# Altium PCB AIR_MOUNT23.PcbDoc (part 3 of 4)
Units mm, origin at the board's own origin, x right, y up, seen from the top; angles counter-clockwise.
Board outline 149.5 x 178 mm, 4 copper layers (Top Layer, Layer 1, Layer 2, Bottom Layer), stack 1.741 mm thick; 443 components, 337 nets, 1578 pads, 464 vias.
Unrouted connection lines stored in the file: 63.
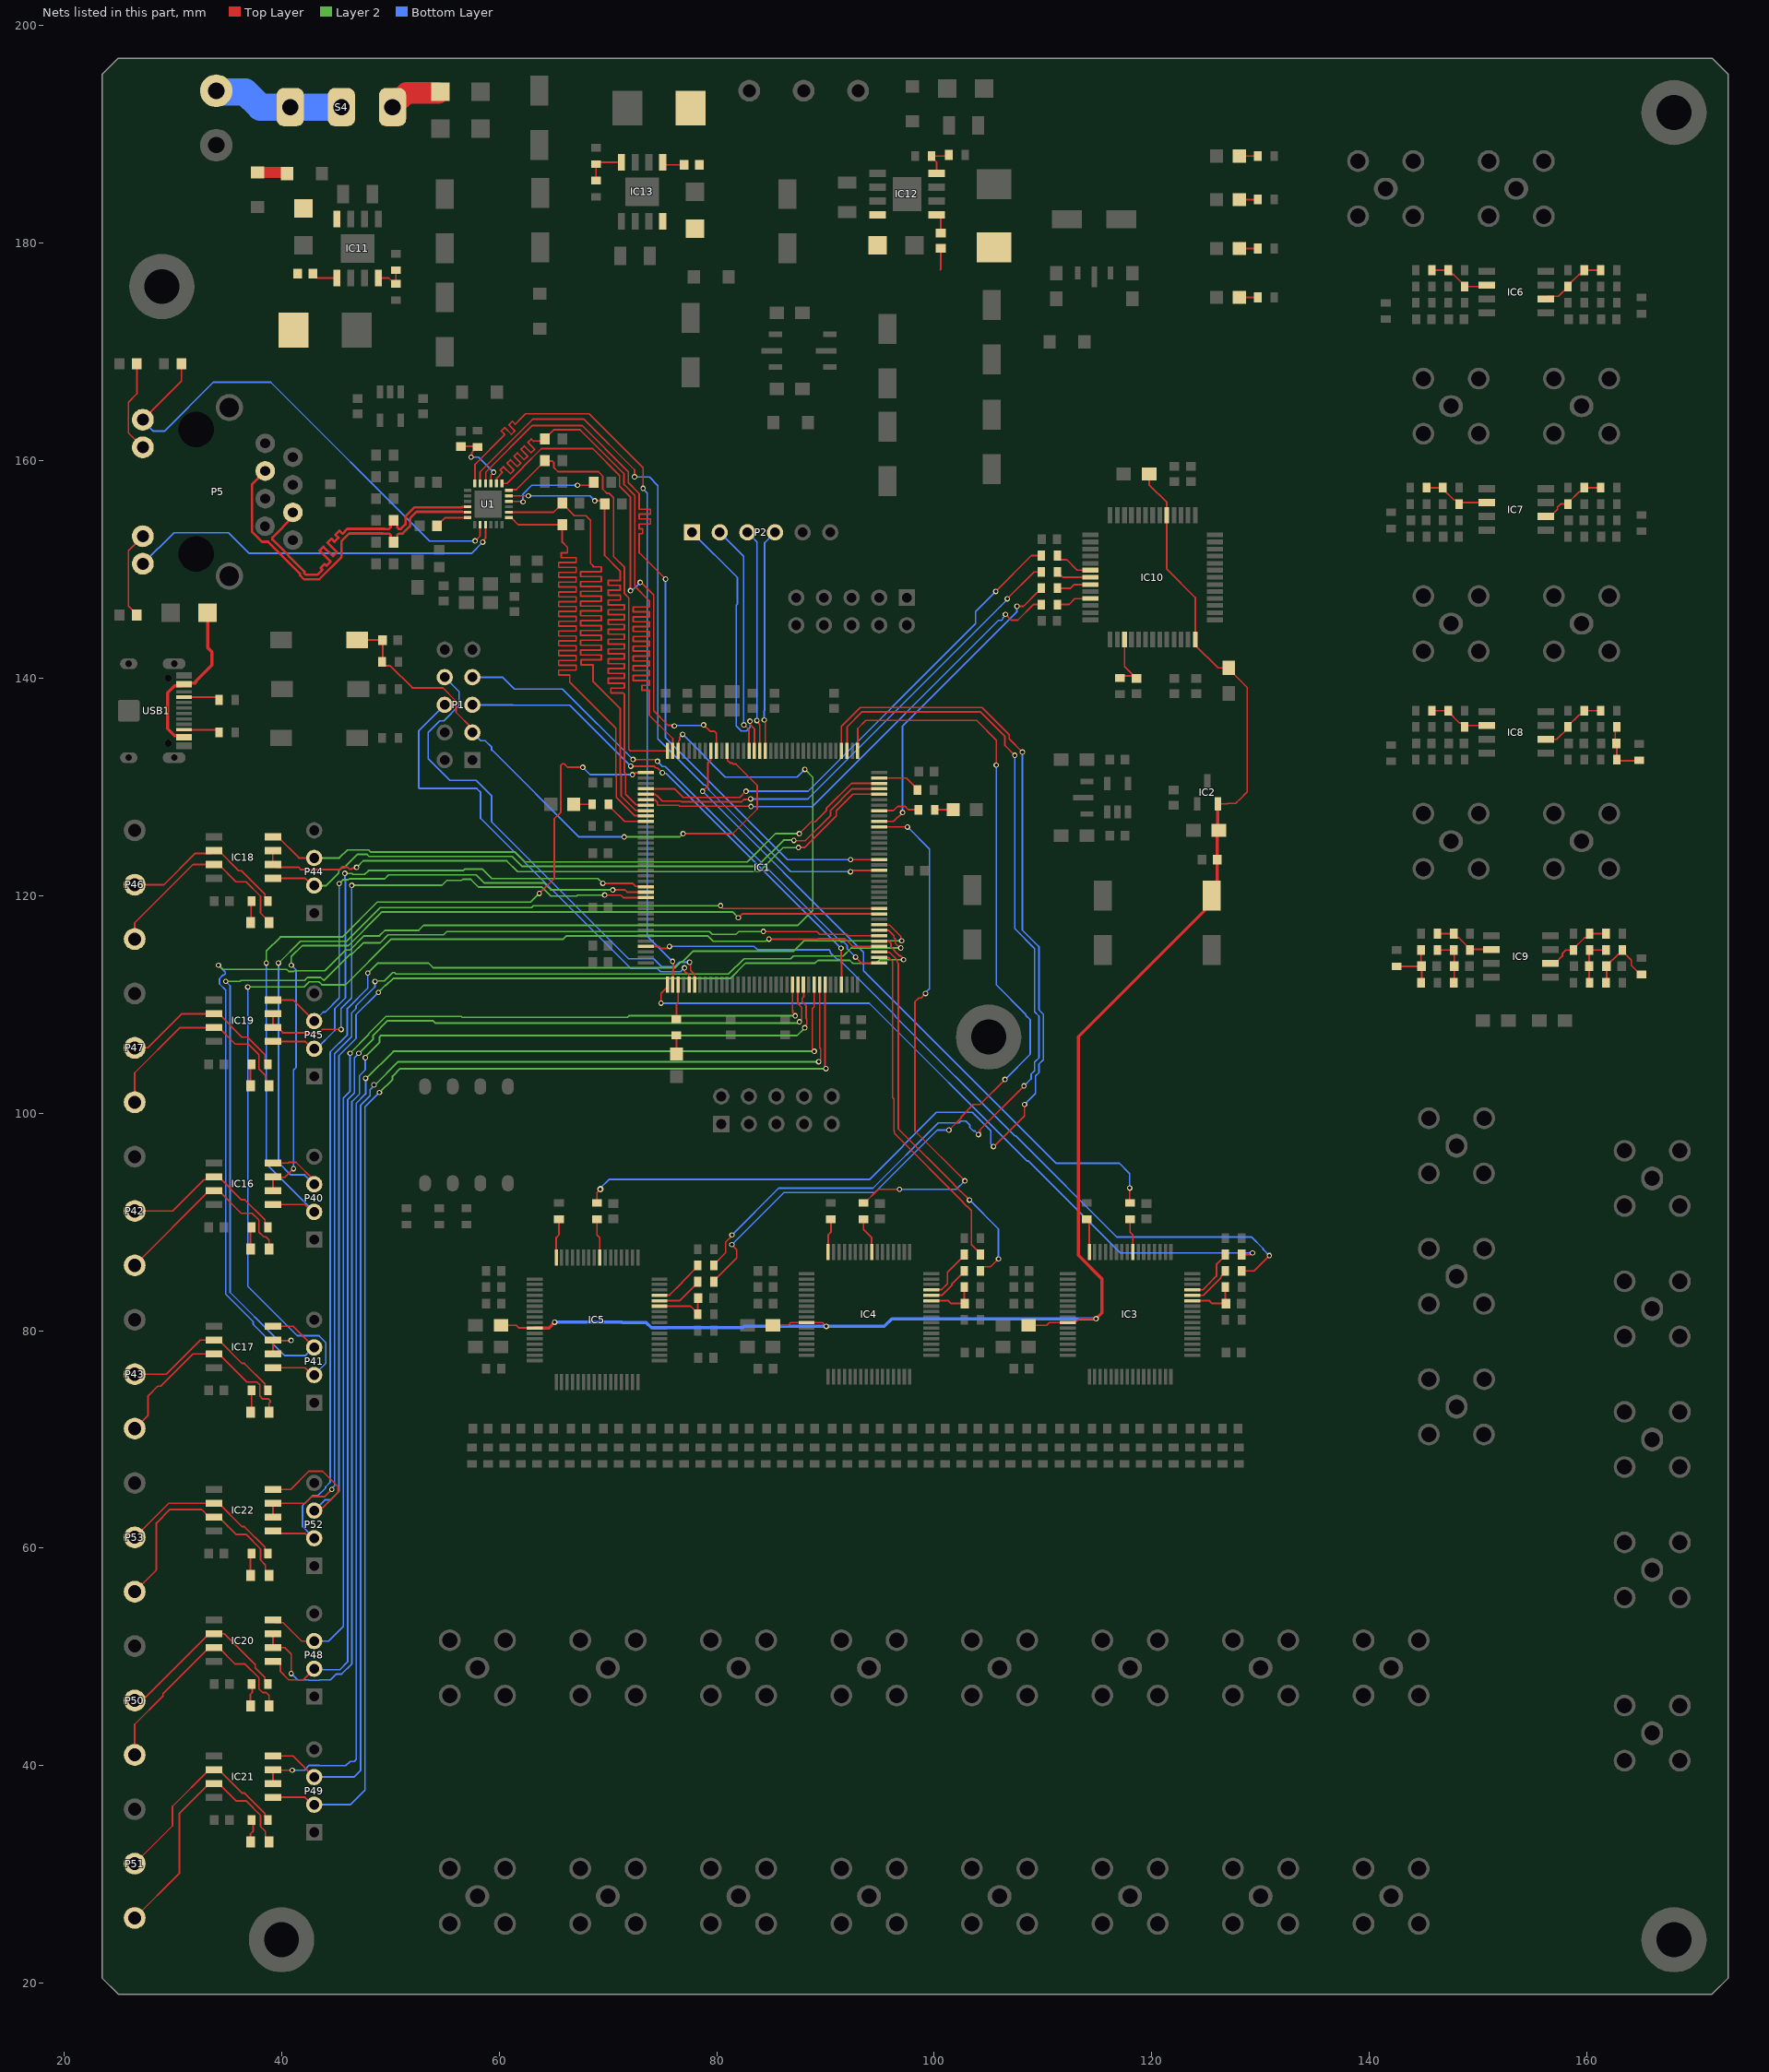
[diagram p5: the nets of this part, all layers, seen from the top]

## Via types
v1: diameter 0.5, hole 0.3, Top Layer to Bottom Layer, tented both sides, 452 vias
v2: diameter 0.7, hole 0.4, Top Layer to Bottom Layer, 8 vias
v3: diameter 0.6, hole 0.3, Top Layer to Bottom Layer, tented both sides, 2 vias
v4: diameter 0.66, hole 0.33, Top Layer to Bottom Layer, 2 vias

## Nets (pads, with @x,y where several pads share a name; then routed paths per layer and width w, separated by ;. In a path a pad name is that pad's centre, name@x,y a point inside that pad or via, vN(x,y) a via of type N, cw(c..) or ccw(c..) an arc to the next point about the centre after c; other vN are vias at no path point) (continued)
NetC98_2: C98.2 R142.1 R143.2 R147.2 | length 5.5
  Top Layer w0.15: R142.1@162.75,135.5 162.7,135.5 162.6,135.6 162.6,134.1 C98.2@162.7,134 162.75,133.95 R147.2@162.75,132.5 162.85,132.4 164.7,132.4 164.75,132.45 R143.2@164.8,132.45
NetC99_2: C99.2 R150.2 R151.1 R158.2 | length 5.3
  Top Layer w0.15: R150.2@142.5,113.5 144.7,113.5 C99.2@144.75,113.55 ; R158.2@144.75,112 144.8,112.05 C99.2@144.8,113.5 C99.2@144.75,113.55 ; R151.1@144.75,115 C99.2@144.75,113.55
NetC100_2: C100.2 R151.2 R152.1 R159.2 | length 4.5
  Top Layer w0.15: R151.2@146.25,115 R152.1@147.75,115 147.8,114.95 C100.2@147.8,113.5 147.8,112.05 R159.2@147.75,112
NetC101_2: C101.2 R155.1 R156.2 R160.2 | length 4.5
  Top Layer w0.15: R160.2@160.25,112 160.2,112.05 C101.2@160.2,113.5 160.2,114.95 R155.1@160.25,115 R156.2@161.75,115
NetC102_2: C102.2 R156.1 R157.2 R161.2 | length 6.6
  Top Layer w0.15: R161.2@161.75,112 161.8,112.05 C102.2@161.8,113.5 161.8,113.55 162.875,114.625 162.975,114.625 R156.1@163.25,114.9 ; R156.1@163.25,115 R156.1@163.25,114.9 ; R157.2@165,112.75 164.9,112.75 164.075,113.575 164.075,114.075 R156.1@163.25,114.9
NetC118_1: C118.1 D2.2 IC11.8 L1.1
NetC118_2: C118.2 IC11.1 | length 2.4
  Top Layer w0.14: C118.2@42.9,177.2 42.9,177.15 43.262,176.788 IC11.1@45.095,176.788
NetC119_1: C119.1 D3.2 IC12.8 L2.1 | length 2
  Top Layer w0.14: 100.55,177.525 100.6,177.575 C119.1@100.6,179.5
NetC119_2: C119.2 IC12.1 | length 1.9
  Top Layer w0.14: IC12.1@100.212,182.595 100.345,182.595 100.6,182.34 C119.2@100.6,180.9
NetC128_1: C128.1 D6.2 IC13.8 L3.1
NetC128_2: C128.2 IC13.1 | length 2.1
  Top Layer w0.14: IC13.1@75.04,187.424 75.264,187.2 C128.2@77,187.2
NetD1_1: D1.1 USB1.A4B9 USB1.B4A9 | length 15.3
  Top Layer w0.3: USB1.B4A9@31.048,134.55 30.898,134.7 30.157,134.7 29.522,135.334 29.522,138.666 30.157,139.3 30.898,139.3 31.123,139.525 32.011,139.525 32.173,139.686 32.173,139.759 33.6,141.187 33.6,142.4 33.2,142.8 D1.1@33.2,146
NetD4_1: D4.1 S4.3 | length 5
  Top Layer w2: S4.3@50.2,192.5 50.2,193 50.45,193.25 50.95,193.25 51.5,193.8 D4.1@54.4,193.8
NetIC1_143: IC1.143 R10.1 | length 4
  Top Layer w0.15: IC1.143@94.953,130.819 97.431,130.819 98.45,129.8 R10.1@98.45,129.7
NetIC3_32: IC3.32 R68.2 | length 3.1
  Top Layer w0.15: R68.2@114,90.25 114.25,90 IC3.32@114.25,87.238
NetIC4_32: IC4.32 R86.2 | length 3.1
  Top Layer w0.15: IC4.32@90.25,87.238 90.25,88.813 90.5,89.063 R86.2@90.5,90.25
NetIC5_32: IC5.32 R104.2 | length 3.6
  Top Layer w0.15: IC5.32@65.25,86.738 65.25,88.563 65.5,88.813 R104.2@65.5,90.25
NetIC6_2: IC6.2 R106.2 R107.1 R110.2 | length 5.8
  Top Layer w0.15: R106.2@145.75,177.5 R107.1@147.25,177.5 147.25,177.4 147.525,177.125 147.725,177.125 148.75,176.1 R110.2@148.75,176 150.5,176 150.635,176.135 IC6.2@150.788,176.135
NetIC6_6: IC6.6 R111.1 R112.2 R113.2 | length 6.3
  Top Layer w0.15: IC6.6@156.212,174.865 156.462,175.115 157.365,175.115 157.875,175.625 157.975,175.625 158.25,175.9 R113.2@158.25,176 158.3,176 158.4,176.1 158.4,176.25 159.275,177.125 159.475,177.125 159.75,177.4 R111.1@159.75,177.5 R112.2@161.25,177.5
NetIC7_2: IC7.2 R120.2 R121.1 R124.2 | length 6.3
  Top Layer w0.15: R120.2@145.25,157.5 R121.1@146.75,157.5 146.75,157.4 147.775,156.375 147.975,156.375 148.25,156.1 R124.2@148.25,156 148.385,156.135 IC7.2@150.788,156.135
NetIC7_6: IC7.6 R125.1 R126.2 R127.2 | length 6.4
  Top Layer w0.15: IC7.6@156.212,154.865 156.65,154.865 157.3,155.515 157.3,155.725 157.575,156 R127.2@158.25,156 158.25,156.1 159.275,157.125 159.475,157.125 159.75,157.4 R125.1@159.75,157.5 R126.2@161.25,157.5
NetIC8_2: IC8.2 R134.2 R135.1 R138.2 | length 5.8
  Top Layer w0.15: R134.2@145.75,137 R135.1@147.25,137 147.25,136.9 148.275,135.875 148.475,135.875 148.75,135.6 R138.2@148.75,135.5 148.885,135.635 IC8.2@150.788,135.635
NetIC8_6: IC8.6 R139.1 R140.2 R141.2 | length 6.3
  Top Layer w0.15: IC8.6@156.212,134.365 157.215,134.365 158.25,135.4 R141.2@158.25,135.5 158.25,135.6 159.275,136.625 159.475,136.625 159.75,136.9 R139.1@159.75,137 R140.2@161.25,137
NetIC9_2: IC9.2 R148.2 R149.1 R152.2 | length 5.7
  Top Layer w0.15: R148.2@146.25,116.5 R149.1@147.75,116.5 147.75,116.4 148.025,116.125 148.225,116.125 149.25,115.1 R152.2@149.25,115 ; R152.2@149.301,115.051 IC9.2@151.222,115.051
NetIC9_6: IC9.6 R153.1 R154.2 R155.2 | length 6.5
  Top Layer w0.15: IC9.6@156.646,113.781 157.083,113.781 157.733,114.431 157.733,114.659 158.075,115 R155.2@158.75,115 158.75,115.1 159.775,116.125 159.975,116.125 160.25,116.4 R153.1@160.25,116.5 R154.2@161.75,116.5
NetIC11_4: IC11.4 R163.1 R165.2 | length 3.1
  Top Layer w0.14: IC11.4@48.905,176.788 49.862,176.788 50.4,176.25 R163.1@50.5,176.25 R165.2@50.5,177.5
NetIC12_4: IC12.4 R164.1 R166.2 | length 3.4
  Top Layer w0.14: IC12.4@100.212,186.405 100.212,187.438 99.75,187.9 R166.2@99.75,188 101.25,188 R164.1@101.35,188.1
NetIC13_4: IC13.4 R167.1 R168.2 | length 3.9
  Top Layer w0.14: R168.2@68.9,185.75 R167.1@68.9,187.25 69.074,187.424 IC13.4@71.23,187.424
NetIC16_6: IC16.6 P42.2 R173.2 | length 15.6
  Top Layer w0.15: P42.2@26.5,91 30,91 32.888,93.888 33.541,93.888 33.664,94.011 34.349,94.011 36.323,92.038 36.628,92.038 38.475,90.191 38.475,89.775 R173.2@38.75,89.5
NetIC16_7: IC16.7 P42.3 SB1.2 | length 18.6
  Top Layer w0.15: P42.3@26.5,86 26.5,86.014 33.35,92.865 IC16.7@33.788,92.865 34.226,92.865 36.29,90.8 37.3,90.8 37.925,90.175 37.925,89.065 38.366,88.624 38.566,88.624 38.857,88.333 SB1.2@38.857,87.5
NetIC17_6: IC17.6 P43.2 R174.2 | length 15.7
  Top Layer w0.15: P43.2@26.5,76 29.4,76 32.535,79.135 IC17.6@33.788,79.135 34.226,79.135 36.368,76.993 36.583,76.993 38.475,75.1 38.475,74.775 R174.2@38.75,74.5
NetIC17_7: IC17.7 P43.3 SB2.2 | length 19.8
  Top Layer w0.15: P43.3@26.5,71 27.736,72.236 27.736,74.018 28.617,74.9 28.9,74.9 31.865,77.865 IC17.7@33.788,77.865 34.226,77.865 36.816,75.275 37.735,75.275 38,75.01 38,73.99 38.265,73.725 38.803,73.725 38.952,73.576 38.952,73.442 38.857,73.348 SB2.2@38.857,72.5
NetIC18_6: IC18.6 P46.2 R175.2 | length 15.7
  Top Layer w0.15: P46.2@26.5,121 29.2,121 32.085,123.885 33.538,123.885 IC18.6@33.788,124.135 34.226,124.135 36.068,122.292 36.308,122.292 38.475,120.125 38.475,119.775 R175.2@38.75,119.5
NetIC18_7: IC18.7 P46.3 SB3.2 | length 19.3
  Top Layer w0.15: P46.3@26.5,116 26.5,117.5 31.865,122.865 IC18.7@33.788,122.865 34.226,122.865 35.816,121.275 36.735,121.275 38.075,119.935 38.075,118.384 38.857,117.602 SB3.2@38.857,117.5
NetIC19_6: IC19.6 P47.2 R176.2 | length 15.8
  Top Layer w0.15: P47.2@26.5,106 26.508,106.008 27.708,106.008 30.835,109.135 IC19.6@33.788,109.135 34.226,109.135 36.368,106.993 36.873,106.993 38.475,105.391 38.475,104.775 R176.2@38.75,104.5
NetIC19_7: IC19.7 P47.3 SB4.2 | length 20.1
  Top Layer w0.15: P47.3@26.5,101 26.5,103.7 30.665,107.865 IC19.7@33.788,107.865 34.226,107.865 35.741,106.35 36.95,106.35 37.925,105.375 37.925,104.065 38.526,103.465 38.526,102.831 SB4.2@38.857,102.5
NetIC20_6: IC20.6 P50.2 R177.2 | length 17.1
  Top Layer w0.15: P50.2@26.5,46 26.854,46.354 27.569,46.354 33.35,52.135 IC20.6@33.788,52.135 34.758,52.135 37.588,49.306 37.588,48.988 38.475,48.1 38.475,47.775 R177.2@38.75,47.5
NetIC20_7: IC20.7 P50.3 SB5.2 | length 21.6
  Top Layer w0.15: P50.3@26.5,41 26.5,43.8 29.1,46.4 29.1,46.615 33.35,50.865 IC20.7@33.788,50.865 34.226,50.865 35.741,49.35 36.66,49.35 37.925,48.085 37.925,47.065 38.265,46.725 38.589,46.725 38.857,46.457 SB5.2@38.857,45.5
NetIC21_6: IC21.6 P51.2 R178.2 | length 19
  Top Layer w0.15: P51.2@26.5,31 29.977,34.477 29.977,36.262 33.35,39.635 IC21.6@33.788,39.635 34.226,39.635 36.368,37.493 36.583,37.493 38.475,35.6 38.475,35.275 R178.2@38.75,35
NetIC21_7: IC21.7 P51.3 SB6.2 | length 23.9
  Top Layer w0.15: P51.3@26.5,26 30.6,30.1 30.6,35.615 33.35,38.365 IC21.7@33.788,38.365 34.226,38.365 35.816,36.775 36.735,36.775 38.075,35.435 38.075,34.415 38.526,33.965 38.526,33.331 SB6.2@38.857,33
NetIC22_6: IC22.6 P53.2 R179.2 | length 15.7
  Top Layer w0.15: P53.2@26.5,61 29.635,64.135 IC22.6@33.788,64.135 34.226,64.135 36.368,61.993 36.583,61.993 38.475,60.1 38.475,59.775 R179.2@38.75,59.5
NetIC22_7: IC22.7 P53.3 SB7.2 | length 21.5
  Top Layer w0.15: P53.3@26.5,56 28.5,58 28.5,62.317 29.75,63.567 32.648,63.567 33.35,62.865 IC22.7@33.788,62.865 34.226,62.865 35.816,61.275 36.735,61.275 38.075,59.935 38.075,58.915 38.526,58.465 38.526,57.831 SB7.2@38.857,57.5
NetLED1_1: LED1.1 R169.1 | length 1.7
  Top Layer w0.15: LED1.1@128.05,188 R169.1@129.75,188
NetLED2_1: LED2.1 R170.1 | length 1.7
  Top Layer w0.15: LED2.1@128.05,175 R170.1@129.75,175
NetLED3_1: LED3.1 R171.1 | length 1.7
  Top Layer w0.15: LED3.1@128.05,184 R171.1@129.75,184
NetLED4_2: LED4.2 R172.1 | length 1.7
  Top Layer w0.15: LED4.2@128.05,179.5 R172.1@129.75,179.5
NetLED-B1_1: LED-B1.1 R5.1 | length 1.7
  Top Layer w0.15: R5.1@100.05,127.9 LED-B1.1@101.75,127.9
NetLED-G1_1: LED-G1.1 R1.1 | length 1.8
  Top Layer w0.15: LED-G1.1@66.85,128.4 68.4,128.4 68.5,128.5 68.55,128.45 R1.1@68.55,128.4
NetLED-R1_1: LED-R1.1 R9.1 | length 1.7
  Top Layer w0.15: LED-R1.1@76.3,105.45 R9.1@76.3,107.15
NetP5_9: P5.9 R46.1 U1.2 | length 47.2
  Top Layer w0.15: P5.9@27.25,163.755 30.8,167.305 R46.1@30.8,168.9 ; v1(57.793,152.607) 58.25,153.063 U1.2@58.25,154.1
  Bottom Layer w0.15: P5.9@27.25,163.755 27.25,163.65 28.2,162.7 29.24,162.7 33.74,167.2 39,167.2 53.593,152.607 v1(57.793,152.607)
NetP5_10: P5.10 R47.1 | length 8.6
  Top Layer w0.15: R47.1@26.7,168.9 26.7,166.145 25.925,165.37 25.925,162.54 P5.10@27.25,161.215
NetP5_11: P5.11 R45.1 | length 8.1
  Top Layer w0.15: R45.1@26.7,145.8 26.7,145.85 25.925,146.625 25.925,151.72 P5.11@27.25,153.045
NetP5_12: P5.12 U1.3 | length 35.4
  Top Layer w0.15: v1(58.5,152.5) 58.5,152.595 58.75,152.845 U1.3@58.75,154.1
  Bottom Layer w0.15: P5.12@27.25,150.505 30.115,153.37 35.129,153.37 37.034,151.465 57.465,151.465 v1(58.5,152.5)
NetP38_2: P38.2 S4.1 S4.2 | length 12.1
  Bottom Layer w2.5: P38.2@34,194 34.096,193.904 36.646,193.904 38.05,192.5 S4.1@40.8,192.5 S4.2@45.5,192.5
NetR3_1: R3.1 USB1.A5 | length 3.3
  Top Layer w0.15: USB1.A5@31.047,138.25 34,138.25 R3.1@34.25,138
NetR7_1: R7.1 USB1.B5 | length 3.3
  Top Layer w0.15: USB1.B5@31.048,135.25 34,135.25 R7.1@34.25,135
NetR39_1: R39.1 U1.10 | length 9
  Top Layer w0.15: U1.10@60.9,156.25 62.15,156.25 v1(62.2,156.2) ; v1(67.2,157.725) 68.425,157.725 R39.1@68.7,158
  Bottom Layer w0.15: v1(62.2,156.2) 62.2,156.927 62.998,157.725 v1(67.2,157.725)
NetR40_1: R40.1 U1.24 | length 3.1
  Top Layer w0.15: R40.1@54.3,154 54.3,154.05 54.675,154.425 54.725,154.425 55.05,154.75 U1.24@57.1,154.75
NetR173_1: R173.1 SB1.1 | length 2
  Top Layer w0.15: SB1.1@37.143,87.5 37.143,89.393 R173.1@37.25,89.5
NetR174_1: R174.1 SB2.1 | length 2.3
  Top Layer w0.15: SB2.1@37.143,72.5 37.143,72.457 37.25,72.35 R174.1@37.25,74.5
NetR175_1: R175.1 SB3.1 | length 2
  Top Layer w0.15: SB3.1@37.143,117.5 37.143,117.643 37.2,117.7 37.2,119.45 R175.1@37.25,119.5
NetR176_1: R176.1 SB4.1 | length 2
  Top Layer w0.15: SB4.1@37.143,102.5 37.143,104.393 R176.1@37.25,104.5
NetR177_1: R177.1 SB5.1 | length 2.1
  Top Layer w0.15: SB5.1@37.143,45.5 37.143,46.568 37.3,46.725 37.3,47.45 R177.1@37.25,47.5
NetR178_1: R178.1 SB6.1 | length 2.2
  Top Layer w0.15: SB6.1@37.143,33 37.143,33.743 37.4,34 37.4,34.85 R178.1@37.25,35
NetR179_1: R179.1 SB7.1 | length 2
  Top Layer w0.15: SB7.1@37.143,57.5 37.143,59.393 R179.1@37.25,59.5
NetZ6_1: Z6.1 Z7.2 | length 2.8
  Top Layer w1: Z6.1@37.8,186.5 40.44,186.5 40.5,186.44 Z7.2@40.5,186.4
NRESET_3: C25.2 R48.1 U1.15 | length 6.5
  Top Layer w0.15: C25.2@56.5,161.3 57.95,161.3 R48.1@58,161.25 57.9,161.25 57.625,160.975 57.625,160.875 57.486,160.736 57.486,160.381 v1(57.419,160.314) ; U1.15@59.25,157.9 59.25,158.675 v1(59.5,158.925)
  Bottom Layer w0.15: v1(57.419,160.314) 58.111,160.314 v1(59.5,158.925)
NRESET_8: C117.2 IC10.3 R162.1 | length 5.5
  Top Layer w0.15: R162.1@117.079,140.014 117.079,140.179 117.1,140.2 C117.2@118.293,140.2 ; IC10.3@117.488,143.549 117.488,141.055 118.204,140.339 118.204,140.289 C117.2@118.293,140.2 ; C117.2@118.579,139.964 118.529,139.964 C117.2@118.293,140.2
NRST_2: C10.2 IC1.25 P1.3 R2.1 S3.2 | length 54.4
  Top Layer w0.15: S3.2@46.944,143.5 C10.2@49.3,143.5 49.3,141.55 R2.1@49.25,141.5 49.25,141.4 49.525,141.125 50.007,141.125 52.027,139.105 54.814,139.105 56.048,137.871 56.048,136.849 57.54,135.357 P1.3@57.54,135 ; v1(76.905,125.7) 81.481,125.7 83.729,127.948 83.729,130.137 81.765,132.1 81.508,132.1 81.415,132.193 81.232,132.193 80.99,132.435 80.99,133.1 80.965,133.125 IC1.25@80.965,133.307
  Layer 2 w0.15: v1(71.5,125.4) 76.605,125.4 v1(76.905,125.7)
  Bottom Layer w0.15: P1.3@57.54,135 58.305,134.235 58.715,134.235 59.315,133.635 59.315,133.383 59.349,133.383 67.331,125.4 v1(71.5,125.4)
PA0_2: IC1.34 IC17.4 P41.3 | length 131.8
  Top Layer w0.15: IC17.4@39.212,80.405 41.055,80.405 P41.3@43,78.46 ; IC1.34@76.465,133.307 76.49,133.332 76.49,134.179 76.6,134.289 76.6,134.558 v1(76.868,134.826)
  Layer 2 w0.15: v1(34.2,113.6) 34.251,113.6 34.632,113.219 40.468,113.219 40.662,113.025 41.138,113.025 41.213,113.1 44,113.1 45.9,115 46.297,115 47.597,116.3 49,116.3 49.5,116.8 52.6,116.8 53.075,117.275 87.475,117.275 88.829,118.629 88.829,130.871 v1(88.1,131.6)
  Bottom Layer w0.15: v1(34.2,113.6) 34.825,112.975 34.825,112.81 34.707,112.693 34.631,112.693 34.294,112.356 34.294,111.879 34.877,111.297 34.877,83.358 37.397,80.838 37.397,80.59 40.262,77.725 42.215,77.725 42.95,78.46 P41.3@43,78.46 ; v1(76.868,134.826) 80.794,130.9 87.4,130.9 v1(88.1,131.6)
PA3_2: IC1.37 IC16.1 P40.2 | length 78.1
  Top Layer w0.15: IC16.1@39.212,91.595 42.155,91.595 42.83,90.92 P40.2@43,90.92 ; v1(63.7,120.2) 65.078,121.578 65.078,127.068 65.675,127.665 65.675,131.975 65.817,132.117 65.983,132.117 66.3,131.8 v1(67.7,131.8) ; v1(72.262,131.12) 72.356,131.12 72.53,131.294 73.094,131.294 73.1,131.3 73.458,131.3 IC1.37@73.477,131.319
  Layer 2 w0.15: v1(38.6,113.8) 38.6,114.9 39.9,116.2 45.6,116.2 48.8,119.4 62.9,119.4 v1(63.7,120.2)
  Bottom Layer w0.15: v1(38.6,113.8) 38.6,95.32 P40.2@43,90.92 ; v1(67.7,131.8) 68.38,131.12 v1(72.262,131.12)
PA8_2: IC1.100 IC21.2 IC21.3 | length 120.9
  Top Layer w0.15: IC21.2@39.212,38.365 IC21.3@39.212,39.635 39.26,39.587 v1(40.981,39.587) ; IC1.100@88.965,111.831 88.965,109.765 88.8,109.6 88.8,105.867 v1(88.981,105.686)
  Layer 2 w0.15: v1(47.73,103.209) 47.809,103.209 50.286,105.686 v1(88.981,105.686)
  Bottom Layer w0.15: v1(40.981,39.587) 42.107,39.587 42.555,40.035 43.445,40.035 43.48,40 45.9,40 46.3,40.4 46.683,40.4 46.875,40.592 46.875,100.906 47.73,101.761 v1(47.73,103.209)
PA9_2: IC1.101 IC21.4 P49.3 | length 121.6
  Top Layer w0.15: IC21.4@39.212,40.905 41.055,40.905 P49.3@43,38.96 ; v1(89.374,104.728) 89.556,104.91 89.556,105.924 89.465,106.015 IC1.101@89.465,111.831
  Layer 2 w0.15: v1@48.5,102.527 v1(48.5,102.6) 48.6,102.6 50.728,104.728 v1(89.374,104.728)
  Bottom Layer w0.15: P49.3@43,38.96 46.66,38.96 47.275,39.575 47.275,100.741 48.13,101.596 48.13,102.157 v1@48.5,102.527
PA10_2: IC1.102 IC21.1 P49.2 | length 123.9
  Top Layer w0.15: IC21.1@39.212,37.095 42.155,37.095 42.83,36.42 P49.2@43,36.42 ; IC1.102@89.965,111.831 89.965,104.167 v1(90.041,104.091)
  Layer 2 w0.15: v1(49,101.9) 50.2,103.1 50.2,103.4 50.891,104.091 v1(90.041,104.091)
  Bottom Layer w0.15: P49.2@43,36.42 46.32,36.42 47.675,37.775 47.675,100.575 v1(49,101.9)
PB0_2: IC1.46 R1.2 | length 4.2
  Top Layer w0.15: R1.2@70.05,128.4 70.05,128.25 70.2,128.1 70.25,128.1 71.531,126.819 IC1.46@73.477,126.819
PB7_2: IC1.137 R5.2 | length 3.9
  Top Layer w0.15: IC1.137@94.953,127.819 95.181,127.819 95.2,127.8 95.219,127.819 96.261,127.819 96.652,128.21 97.322,128.21 97.632,127.9 R5.2@98.55,127.9
PB9_2: IC1.140 IC18.2 IC18.3 | length 61.3
  Top Layer w0.15: IC18.3@39.212,124.135 39.2,124.123 39.2,122.877 IC18.2@39.212,122.865 39.462,122.615 41.557,122.615 41.787,122.385 45.356,122.385 45.589,122.617 46.065,122.617 46.25,122.432 46.416,122.432 46.516,122.533 46.833,122.533 v1(46.9,122.6) ; v1(87.521,124.421) 88.075,124.421 91,127.346 91,127.8 92.519,129.319 IC1.140@94.953,129.319
  Layer 2 w0.15: v1(46.9,122.6) 47.5,123.2 60.7,123.2 61.7,122.2 83.903,122.2 86.103,124.4 87.5,124.4 v1(87.521,124.421)
PB14_2: IC1.75 R9.2 | length 3.2
  Top Layer w0.15: R9.2@76.3,108.65 76.3,109.977 76.465,110.142 IC1.75@76.465,111.831
PC6_2: IC1.96 IC20.4 P48.3 | length 106.3
  Top Layer w0.15: IC20.4@39.212,53.405 39.462,53.155 40.145,53.155 41.84,51.46 P48.3@43,51.46 ; IC1.96@86.965,111.831 86.965,109.503 86.983,109.486 86.983,109.287 87.225,109.045 v1(87.225,108.95)
  Layer 2 w0.15: v1@46.3,105.522 48.007,107.229 48.007,107.307 49.6,108.9 56.5,108.9 56.6,108.8 71.79,108.8 71.94,108.95 v1(87.225,108.95)
  Bottom Layer w0.15: P48.3@43,51.46 44.34,51.46 45.675,52.795 45.675,101.403 46.3,102.028 v1@46.3,105.522
  other v1: 46.3,105.5
PC7_2: IC1.97 IC20.1 P48.2 | length 110.9
  Top Layer w0.15: IC20.1@39.212,49.595 39.649,49.595 39.9,49.345 39.9,48.657 40.653,47.903 41.983,47.903 P48.2@43,48.92 ; IC1.97@87.465,111.831 87.465,110.07 87.815,109.72 87.815,108.61 87.7,108.495 87.7,108.4 v1(87.605,108.4)
  Layer 2 w0.15: v1@47.125,105.512 47.125,105.534 47.147,105.534 48.419,106.806 48.419,107.154 49.766,108.5 53.9,108.5 54.115,108.285 87.49,108.285 v1(87.605,108.4)
  Bottom Layer w0.15: P48.2@43,48.92 43.092,48.828 45.362,48.828 46.075,49.541 46.075,101.238 46.7,101.863 46.7,105.087 v1@47.125,105.512
  other v1: 47.1,105.5
PC8_2: IC1.98 IC20.2 IC20.3 | length 114
  Top Layer w0.15: IC20.3@39.212,52.135 IC20.2@39.212,50.865 40.3,50.865 40.891,50.273 v1(40.891,48.478) ; IC1.98@87.965,111.831 87.965,111.407 87.94,111.382 87.94,111.171 87.998,111.171 88,111.168 88,110.7 87.865,110.565 87.865,110.236 88.215,109.885 88.215,108.698 88.275,108.638 88.275,108.162 88.091,107.978 v1(88.091,107.845)
  Layer 2 w0.15: v1@47.704,105.104 47.704,105.198 49.016,106.51 49.016,107.037 49.104,107.125 87.371,107.125 88.054,107.808 v1(88.091,107.845)
  Bottom Layer w0.15: v1(40.891,48.478) 41.47,47.9 42.5,47.9 42.555,47.845 43.445,47.845 43.5,47.9 44.5,47.9 45.028,48.428 45.528,48.428 46.475,49.375 46.475,101.072 47.155,101.752 47.155,103.447 47.704,103.996 v1@47.704,105.104